# Altium PCB 23D_ESC_DRIVER.PcbDoc (continued)
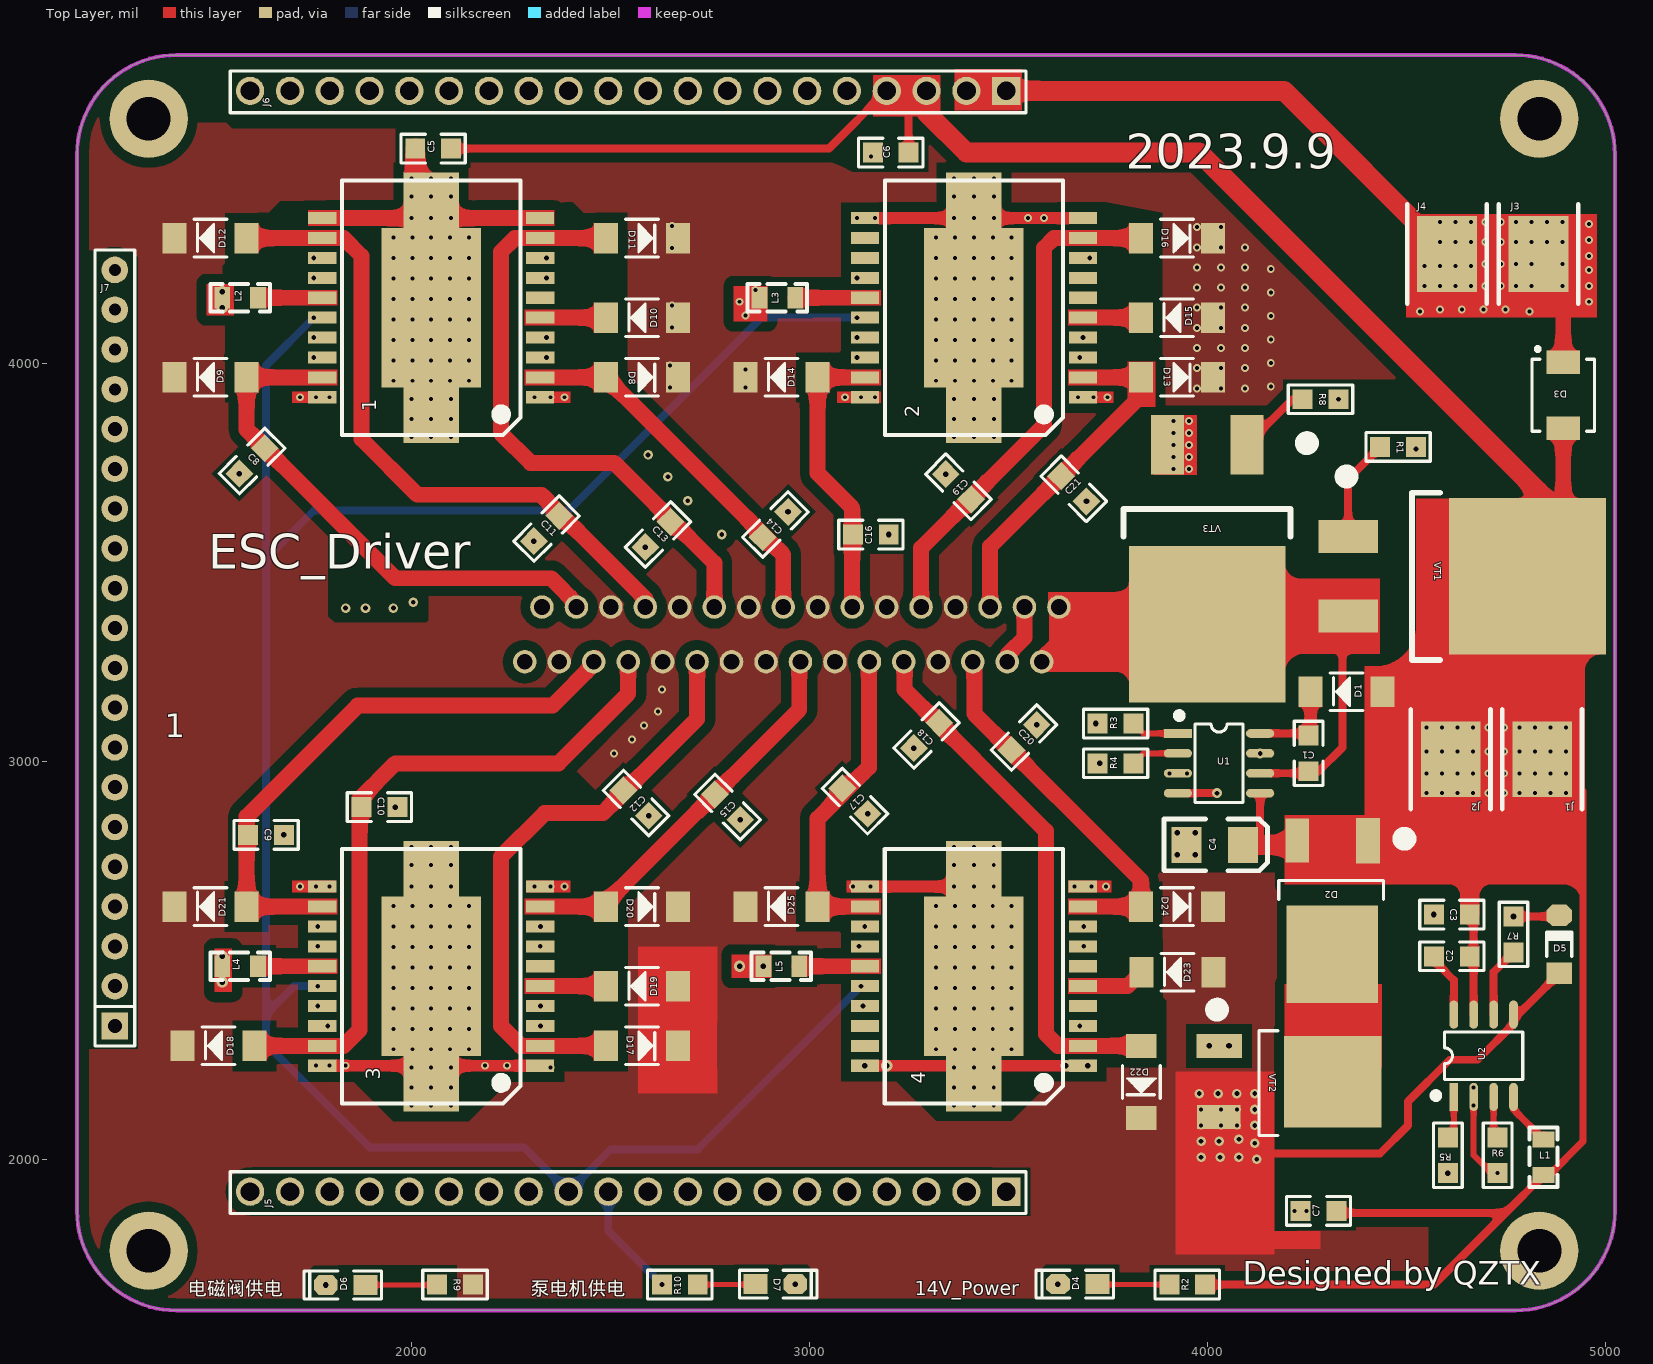
[diagram p0: Top Layer view]
## Nets (pads, with @x,y where several pads share a name; then routed paths per layer and width w, separated by ;. In a path a pad name is that pad's centre, name@x,y a point inside that pad or via, vN(x,y) a via of type N, cw(c..) or ccw(c..) an arc to the next point about the centre after c; other vN are vias at no path point)
GND1: 1.15 L2.2 | length 161.1
  Top Layer w40: L2.2 1.15
GND2: 2.15 L3.2 | length 176.1
  Top Layer w40: L3.2 2.15 2.15@3141.08,4165
GND3: 3.15 L4.2 | length 161.1
  Top Layer w40: L4.2 3.15
GND4: 4.15 L5.2 | length 164.9
  Top Layer w40: L5.2 4.15
L9349_ENABLE: 1.16 2.16 3.16 4.16 J5.12 | length 5653.6
  Signal Layer 2 w15: J5.12 J5.12@2395,1940
  Bottom Layer w20: v2(1755,4115) 1635,3995 1635,3510 ; v2(1765,2435) 1705,2435 1635,2365 ; v2(3120,4115) 2880,4115 2395,3630 1755,3630 1635,3510 ; v2(3130,2435) 2720,2025 2501.5,2025 J5.12 2283.5,2030 1895,2030 1635,2290 1635,2365 ; 1635,2365 1635,3510
LBI_OUT: 1.19 C8.1 CN1.4 D9.1 | length 1340.2
  Top Layer w40: 1.19 D9.1 1586.03,3833.97 1960,3460 2351.82,3460 2415.08,3396.74 CN1.4
LBI_PWM: 1.4 J5.10 | length 2376.4
  Signal Layer 2 w20: v2(2340,4065) 2265,3990 2265,3660 2190,3585 2190,3145 2595,2740 J5.10
LBI_STA: 1.18 J6.13 | length 981.5
  Signal Layer 2 w20: v2(1755,4015) 1860,4120 1860,4400 2030,4570 2180,4570 J6.13
LBO_OUT: 2.19 C16.1 CN1.20 D14.1 | length 733.3
  Top Layer w40: CN1.20 3107.99,3637.01 3021.03,3723.97 D14.1 2.19 2.19@3141.08,3965
LBO_PWM: 2.4 J5.4 | length 2799.3
  Signal Layer 2 w20: J5.4 3251.5,1975 3745,1975 3875,2105 3875,3885.51 3695.51,4065 v2(3687.84,4065)
LBO_STA: 2.18 J6.17 | length 1537.7
  Signal Layer 1 w20: J6.17 1895,4625 2015,4505 2630,4505 v2(3120,4015)
LFI_OUT: 3.19 C10.2 CN1.7 D18.1 | length 1725.3
  Top Layer w40: D18.1 3.19 1830,2285 1870,2325 1870,2905 1960,2995 2370,2995 2545,3170 CN1.7
LFI_PWM: 3.4 J5.16 | length 640.5
  Signal Layer 2 w20: J5.16 2370,2293.5 2370,2340 v2(2325,2385)
LFI_STA: 3.18 J6.9 | length 3050
  Signal Layer 1 w20: v2(1885,3385) 1885,3510 2030,3655 2585,3655 v2(2645,3715)
  Signal Layer 2 w20: v2(1790,2335) 1885,2430 v2(1885,3385) ; v2(2645,3715) 2695,3765 J6.9
LFO_OUT: 3.9 C15.2 CN1.17 D20.1 | length 983.1
  Top Layer w40: 3.9 D20.1 2488.97,2643.97 2975,3130 CN1.17@2975,3251.77
LFO_PWM: 3.14 J5.18 | length 778
  Signal Layer 2 w20: v2(1765,2535) 1585,2355 1585,2128.5 J5.18
LFO_STA: 3.8 J6.7 | length 2970.6
  Signal Layer 1 w15: J6.7@2895,4670 J6.7
  Signal Layer 1 w20: v2(2005,3400) 2080,3475 2685,3475 v2(2780,3570)
  Signal Layer 2 w20: v2(2005,3400) 2005,3190.75 2240,2955.75 2240,2705 2325,2620 v2(2325,2585) ; v2(2780,3570) 2895,3685 J6.7
LSTB1_OUT: 4.9 C20.2 CN1.27 D24.1 | length 933.6
  Top Layer w40: CN1.27@3415,3250 3415,3120 3833.97,2701.03 D24.1 4.9@3688.92,2635
LSTB1_PWM: 4.14 J5.9 | length 794.6
  Signal Layer 2 w20: J5.9 2695,2105 v2(3125,2535)
LSTB1_STA: 4.8 J6.20 | length 6135.4
  Signal Layer 1 w20: J6.20 1330,4420 1330,2005 1585,1750 3590,1750 3815,1975 3815,2460 v2(3690,2585)
LSTB2_OUT: 4.2 C18.2 CN1.23 D22.1 | length 1334.5
  Top Layer w40: CN1.23@3240,3250 3240,3180 3595,2825 3595,2315 3625.01,2284.99 4.2 3688.92,2284.99 D22.1
LSTB2_PWM: 4.17 J5.8 | length 607.3
  Signal Layer 2 w20: J5.8 2795,2045 v2(3135,2385)
LSTB2_STA: 4.3 J6.19 | length 5627.4
  Signal Layer 1 w20: J6.19 1415,4405 1415,2000 1595,1820 3540,1820 3745,2025 3745,2270 v2(3680,2335)
LTC_OUT: 3.2 C12.2 CN1.11 D17.1 | length 1489.8
  Top Layer w40: D17.1 2275,2285 2225,2335 2225,2760 2335,2870 2481.46,2870 2718.23,3106.77 CN1.11
LTC_PWM: 3.17 J5.17 | length 574.2
  Signal Layer 2 w20: v2(1765,2385) 1700,2320 1700,2113.5 J5.17
LTC_STA: 3.3 J6.8 | length 3186.9
  Signal Layer 1 w15: v2@2695,3650.45 v2(2695,3655) ; J6.8@2795,4680 J6.8
  Signal Layer 1 w20: v2(1955,3385) 1955,3475 2080,3600 2644.55,3600 v2@2695,3650.45
  Signal Layer 2 w20: v2(1955,3385) 1955,3145 2175,2925 2175,2700 2227.5,2647.5 2227.5,2432.5 v2(2325,2335) ; v2(2695,3655) 2795,3755 J6.8
MOTOR+: C1.1 CN1.31 CN1.32 U1.6 VT1.3 VT3.2 | length 1847.1
  Top Layer w10: 3765,3230 cw(c3770,3190) 3775,3230 ; VT3.2@3810,3180 ccw(c3767.5,3187.5) VT3.2@3810,3195 ; VT3.2@3820,3215 ccw(c3790,3200) 3775,3230 ; VT3.2@3825,3190 ccw(c3780,3185) 3775,3230 ; VT3.2@4180,3245 cw(c4225,3235) 4235,3280 ; VT3.2@4185,3480 ccw(c4225,3495) 4240,3455 cw(c4235,3500) VT3.2@4190,3495 ; VT3.2@4190,3225 cw(c4245,3220) 4250,3275 ; VT3.2@4190,3240 cw(c4225,3240) 4225,3275 ; 4315,3275 cw(c4317.5,3257.5) 4335,3260 ; 4345,3255 cw(c4365,3255) 4365,3275 ; 3775,3230 cw(c3767.5,3187.5) VT3.2@3810,3195 ; 3775,3230 cw(c3770,3190) VT3.2@3810,3195 ; 3775,3230 cw(c3775,3195) VT3.2@3810,3195
  Top Layer w20: U1.6 C1.1@4250,2970 ; C1.1 4280,2975 4340,3035 4340,3350.39 VT1.3
  Top Layer w30: C1.1@4250,2970 C1.1
  Top Layer w50: CN1.31 3627.68,3293.31 CN1.32 3639.88,3400 3944.61,3400 VT3.2
Net1_5: 1.5 D10.2 | length 165.1
  Top Layer w40: 1.5 D10.2
Net2_5: 2.5 D15.2 | length 145.1
  Top Layer w40: 2.5@3688.92,4115 D15.2
Net3_5: 3.5 D19.2 | length 165.1
  Top Layer w40: 3.5 D19.2
Net4_5: 4.5 D23.2 | length 160.5
  Top Layer w40: 4.5@3688.92,2435 3799.93,2435 D23.2
NetC1_2: C1.2 D1.2 U1.8 | length 232.9
  Top Layer w20: U1.8 C1.2@4250,3070
  Top Layer w30: C1.2 4250,3070 4249.93,3070.07 4259.93,3080.07 D1.2
NetC2_1: C2.1 U2.8 | length 167.4
  Top Layer w20: C2.1 4570,2500 4620,2450 U2.8
NetD2_2: D2.2 VT2.2
NetD4_1: D4.1 R2.1 | length 180.4
  Top Layer w12: D4.1@3726,1685 R2.1
  Top Layer w18: D4.1 D4.1@3726,1685
NetD5_2: D5.2 R7.2 VT2.1 | length 1025.7
  Top Layer w20: R7.2@4763.03,2616.97 v3(4770,2610) 4881.97,2610 D5.2
  Signal Layer 2 w20: v3(4005,2285) v3(4055,2285) 4445,2285 v3(4770,2610)
NetD6_1: D6.1 R9.2 | length 180.4
  Top Layer w12: D6.1 2064,1684 R9.2
NetD7_1: D7.1 R10.2 | length 145.4
  Top Layer w12: R10.2 2864,1685 D7.1
NetL1_1: L1.1 U2.4 | length 147.7
  Top Layer w18: U2.4@4770,2166.65 U2.4 4770,2125 L1.1
NetR1_1: R1.1 U1.7 | length 927.2
  Signal Layer 2 w20: v4(4133.35,3020) 4525,3411.65 v4(4525,3785)
NetR1_2: R1.2 VT1.1 | length 258.3
  Top Layer w20: VT1.1 4354.61,3709.61 R1.2
NetR3_2: R3.2 U1.1 | length 122
  Top Layer w15: R3.2 3840,3070 U1.1
NetR4_2: R4.2 U1.2 | length 122
  Top Layer w15: R4.2 3840,3020 U1.2
NetR5_2: R5.2 U2.1 | length 117.9
  Top Layer w15: R5.2 4620,2070 U2.1 U2.1@4620,2166.65
NetR6_2: R6.2 U2.3 | length 115.8
  Top Layer w15: U2.3@4720,2166.65 U2.3 4720,2065 R6.2
NetR7_1: R7.1 U2.6 | length 177.4
  Top Layer w20: U2.6 4720,2470 R7.1
NetR8_1: R8.1 U1.4 | length 1214.7
  Top Layer w20: U1.4 v4(4025,2920)
  Signal Layer 2 w20: v4(4025,2920) 4025,3355 4330,3660 v4(4330,3910)
NetR8_2: R8.2 VT3.1 | length 187.5
  Top Layer w20: VT3.1 4214.61,3910 R8.2
POWERGND: 1.1 1.10 1.11 1.20 1.21 2.1 2.10 2.11 2.20 2.21 3.1 3.10 3.11 3.20 3.21 4.1 4.10 4.11 4.20 4.21 C3.2 C4.2 C5.1 C6.1 C7.1 C8.2 C9.1 C10.1 C11.2 C12.1 C13.2 C14.2 C15.1 C16.2 C17.1 C18.1 C19.2 C20.1 C21.2 CN1.29 CN1.30 D3.2 D4.2 D6.2 D7.2 J3.1 J4.1 J6.1 J6.2 J7.1 J7.2 J7.3 J7.4 J7.5 J7.6 J7.7 J7.8 J7.9 J7.10 J7.11 J7.12 J7.13 J7.14 J7.15 J7.16 J7.17 J7.18 J7.19 J7.20 L2.1 L3.1 L4.1 L5.1 R6.1 U1.3 U2.2 VT3.3 | length 4994.5
  Top Layer w15: 3.21@2005,2735 3.21@2105,2735 ; U2.2@4670,2166.65 U2.2 v1(4670,2135) 4670,2010 4715,1965 v1(4730,1965)
  Top Layer w30: 3.20@1771.18,2235 3.20@1776.06,2234.23 ; 3.20 v1(1795,2235) v1(1835,2235) v1(2185,2235) v1(2240,2235) 3.1 3.1@2328.82,2235 ; 3.21@2000,2735 3.21@2005,2735 ; 3.10 3.10@2340,2685 ; v3(3140,2235) v3(3195,2235) 4.21@3415,2235 ; 4.11@3141.18,2685 v1(3153.82,2685) v1(3363.82,2685) 3410,2685 3415,2690 4.21@3415,2780 ; 2.11@3141.18,4365 v1(3165,4365) v1(3363.92,4365) v1(3413.92,4365) v1(3463.92,4365) v1(3550,4365) v1(3590,4365) 2.10 ; 4.21@3375,2240 4.21@3413.21,2278.21 ; 4.21@3450,2270 4.21@3415,2235 ; 4.21@3456.67,2281.64 3456.19,2281.1 3456.15,2281.05 3452.95,2277.48 3443.42,2266.8 3436.88,2259.48 3431.87,2253.88 3422.33,2243.2 3416.06,2236.19 4.21@3415,2235 ; v3(3700,2235) 4.1 v3(3645,2235) 4.21@3415,2235
  Top Layer w40: 1.11 v1(2000,4365) v1(2050,4365) ; 1.21@2050,4410 2095,4365 v1(2100,4365) 1.10 ; CN1.29 3497.76,3267.76 3541.06,3311.06 CN1.30 ; D3.2 4895,4160
  Top Layer w50: C5.1 2010,4450 1.21@2050,4410 ; J6.2 J6.1 4193,4685 J4.1 ; J3.1 J3.1@4860,4248
  other v1: 4220,1870 4250,1870 2000,2135 2050,2135 2100,2135 3363.82,2135 3413.82,2135 3463.82,2135 2000,2180 2050,2180 2100,2180 3363.82,2180 3413.82,2180 3463.82,2180 4670,2180 2000,2230 2050,2230 2100,2230 2350,2230 3363.82,2230 3413.82,2230 3463.82,2230 1760,2235 1955,2276.43 2002.5,2276.43 2050,2276.43 2097.5,2276.43 2145,2276.43 3318.82,2276.43 3366.32,2276.43 3413.82,2276.43 3461.32,2276.43 3508.82,2276.43 1955,2327.86 2002.5,2327.86 2050,2327.86 2097.5,2327.86 2145,2327.86 3318.82,2327.86 3366.32,2327.86 3413.82,2327.86 3461.32,2327.86 3508.82,2327.86 1955,2379.29 2002.5,2379.29 2050,2379.29 2097.5,2379.29 2145,2379.29 3318.82,2379.29 3366.32,2379.29 3413.82,2379.29 3461.32,2379.29 3508.82,2379.29 1955,2430.71 2002.5,2430.71 2050,2430.71 2097.5,2430.71 2145,2430.71 3318.82,2430.71 3366.32,2430.71 3413.82,2430.71 3461.32,2430.71 3508.82,2430.71 1955,2482.14 2002.5,2482.14 2050,2482.14 2097.5,2482.14 2145,2482.14 3318.82,2482.14 3366.32,2482.14 3413.82,2482.14 3461.32,2482.14 3508.82,2482.14 1955,2533.57 2002.5,2533.57 2050,2533.57 2097.5,2533.57 2145,2533.57 3318.82,2533.57 3366.32,2533.57 3413.82,2533.57 3461.32,2533.57 3508.82,2533.57 1955,2585 2002.5,2585 2050,2585 2097.5,2585 2145,2585 3318.82,2585 3366.32,2585 3413.82,2585 3461.32,2585 3508.82,2585 1955,2636.43 2002.5,2636.43 2050,2636.43 2097.5,2636.43 2145,2636.43 3318.82,2636.43 3366.32,2636.43 3413.82,2636.43 3461.32,2636.43 3508.82,2636.43 1720,2685 1760,2685 1795,2685 2000,2685 2050,2685 2100,2685 2310,2685 2350,2685 2385,2685 3110,2685 3413.82,2685 3463.82,2685 3666.18,2685 3710,2685 3746.18,2685 2000,2740 2050,2740 2100,2740 3363.82,2740 3413.82,2740 3463.82,2740 2000,2785 2050,2785 2100,2785 3363.82,2785 3413.82,2785 3463.82,2785 3905,2970 3950,2970 3915,3735 3955,3735 3915,3765 3955,3765 3915,3795 3955,3795 2000,3815 2050,3815 2100,3815 3363.92,3815 3413.92,3815 3463.92,3815 3915,3825 3955,3825 3915,3855 3955,3855 2000,3860 2050,3860 2100,3860 3363.92,3860 3413.92,3860 3463.92,3860 2000,3910 2050,3910 2100,3910 3363.92,3910 3413.92,3910 3463.92,3910 1720,3915 1760,3915 1795,3915 2310,3915 2350,3915 2385,3915 3090,3915 3130,3915 3165,3915 3675,3915 3715,3915 3750,3915 1955,3956.43 2002.5,3956.43 2050,3956.43 2097.5,3956.43 2145,3956.43 3318.92,3956.43 3366.42,3956.43 3413.92,3956.43 3461.42,3956.43 3508.92,3956.43 1955,4007.86 2002.5,4007.86 2050,4007.86 2097.5,4007.86 2145,4007.86 3318.92,4007.86 3366.42,4007.86 3413.92,4007.86 3461.42,4007.86 3508.92,4007.86 1955,4059.29 2002.5,4059.29 2050,4059.29 2097.5,4059.29 2145,4059.29 3318.92,4059.29 3366.42,4059.29 3413.92,4059.29 3461.42,4059.29 3508.92,4059.29 1955,4110.71 2002.5,4110.71 2050,4110.71 2097.5,4110.71 2145,4110.71 3318.92,4110.71 3366.42,4110.71 3413.92,4110.71 3461.42,4110.71 3508.92,4110.71 2840,4120 4535,4130 4810,4130 4585,4135 4640,4135 4695,4135 4750,4135 2825,4155 4960,4155 1955,4162.14 2002.5,4162.14 2050,4162.14 2097.5,4162.14 2145,4162.14 3318.92,4162.14 3366.42,4162.14 3413.92,4162.14 3461.42,4162.14 3508.92,4162.14 2865,4185 4546,4195 4585,4195 4624,4195 4663,4195 4699,4195 4738,4195 4776,4195 4815,4195 4893,4195 4960,4195 1955,4213.57 2002.5,4213.57 2050,4213.57 2097.5,4213.57 2145,4213.57 3318.92,4213.57 3366.42,4213.57 3413.92,4213.57 3461.42,4213.57 3508.92,4213.57 4960,4235 4546,4245 4585,4245 4624,4245 4663,4245 4699,4250 4738,4250 4776,4250 4815,4250 4893,4250 1955,4265 2002.5,4265 2050,4265 2097.5,4265 2145,4265 3318.92,4265 3366.42,4265 3413.92,4265 3461.42,4265 3508.92,4265 4960,4270 4585,4305 4624,4305 4663,4305 4699,4305 4738,4305 4776,4305 4815,4305 4854,4305 4893,4305 4960,4310 1955,4316.43 2002.5,4316.43 2050,4316.43 2097.5,4316.43 2145,4316.43 3318.92,4316.43 3366.42,4316.43 3413.92,4316.43 3461.42,4316.43 3508.92,4316.43 4960,4350 4585,4355 4624,4355 4663,4355 4699,4355 4738,4355 4776,4355 4815,4355 4854,4355 4893,4355 3120,4365 2000,4420 2050,4420 2100,4420 3363.92,4420 3413.92,4420 3463.92,4420 2000,4465 2050,4465 2100,4465 3363.92,4465 3413.92,4465 3463.92,4465 3155,4520
  other v3: 1785,1684 2965,1686 3625,1686 1525,2445 2825,2485 2885,2485 1525,2510 4570,2615 3925,2765 3970,2765 1680,2815 3925,2820 3970,2820 2826.82,2853.18 2596.82,2863.18 3146.82,2868.18 1960,2885 3263.18,3033.18 3571.82,3091.82 2588.18,3538.18 2308.18,3553.18 3200,3570 2946.82,3626.82 3696.82,3653.18 3343.18,3721.82 1568.18,3723.18 1525,4140 1525,4180
PUMP_ENABLE: J5.11 R4.1 R10.1 | length 2096.3
  Signal Layer 1 w20: J5.11 2695,2118.5 2763.5,2118.5 3235,2590 3235,2805 3425,2995 v3(3730,2995)
  Bottom Layer w20: J5.11 2495,1820 v2(2630,1685)
PUMP_PWM: J5.3 R3.1 | length 1447.4
  Signal Layer 1 w20: J5.3 3295,1940 3296.47,1941.46 3306.47,1941.46 3370,2005 3430,2005 3595,2170 3595,2710 3785,2900 3785,3030 v3(3720,3095)
RBI_OUT: 3.12 C9.2 CN1.5 D21.1 | length 1465.6
  Top Layer w40: 3.12 D21.1 1586.03,2861.03 1865,3140 2355,3140 2463.55,3248.55 CN1.5@2463.55,3260
RBI_PWM: 3.7 J5.15 | length 811.6
  Signal Layer 2 w20: J5.15 2445,2268.5 2445,2413.92 v2(2323.92,2535)
RBI_STA: 3.13 J6.10 | length 2783.6
  Signal Layer 1 w20: v2(1835,3385) 1835,3590 1955,3710 2535,3710 v2(2595,3770)
  Signal Layer 2 w20: v2(1765,2585) 1835,2655 v2(1835,3385) ; v2(2595,3770) J6.10
RBO_OUT: 4.12 C17.2 CN1.21 D25.1 | length 790.8
  Top Layer w40: 4.12 D25.1 3021.03,2856.03 3150,2985 CN1.21@3150,3253.54
RBO_PWM: 4.7 J5.7 | length 1345.6
  Signal Layer 2 w20: J5.7 3056.5,2080 3640,2080 3760,2200 3760,2465 v2(3690,2535)
RBO_STA: 4.13 J6.18 | length 4545
  Signal Layer 1 w20: J6.18 1795,4630 1483.5,4318.5 1483.5,2201.5 1625,2060 2575,2060 3100,2585 v2(3139.9,2585)
RFI_OUT: 1.12 C11.1 CN1.8 D12.1 | length 1668
  Top Layer w40: D12.1 1830,4315 1875,4270 1875,3810 2015,3670 2326.86,3670 2588.31,3408.55 CN1.8
RFI_PWM: 1.7 J5.14 | length 2671.4
  Signal Layer 2 w20: J5.14 2505,2228.5 2505,2755 2125,3135 2125,3625 2215,3715 2215,4090 v2(2340,4215)
RFI_STA: 1.13 J6.14 | length 724.8
  Signal Layer 1 w15: J6.14@2195,4665 J6.14
  Signal Layer 2 w20: v2(1755,4265) 1755,4420 1940,4605 2115,4605 J6.14
RFO_OUT: 1.2 C14.1 CN1.16 D8.1 | length 926.9
  Top Layer w40: 1.2 D8.1 2934.76,3519.21 CN1.16
RFO_PWM: 1.17 J5.19 | length 2353.6
  Signal Layer 2 w20: J5.19 1475,2138.5 1475,3785 v2(1755,4065)
RFO_STA: 1.3 J6.11 | length 734.2
  Signal Layer 2 w20: v2(2340,4015) 2495,4170 J6.11
RSTB1_OUT: 2.9 C19.1 CN1.24 D16.1 | length 1284.4
  Top Layer w40: CN1.24 3281.22,3536.22 3590,3845 3590,4290 3615,4315 2.9 D16.1
RSTB1_PWM: 2.14 J5.5 | length 3343.5
  Signal Layer 2 w20: J5.5 3181.5,2005 3705,2005 3835,2135 3835,3375 3660,3550 3425,3550 3220,3755 3220,4115 v2(3120,4215)
RSTB1_STA: 2.8 J6.16 | length 1927.9
  Signal Layer 1 w20: J6.16 1995,4655 2095,4555 3460,4555 3705,4310 v2(3705,4265)
RSTB2_OUT: 2.2 C21.1 CN1.28 D13.1 | length 879.5
  Top Layer w40: CN1.28 3454.45,3539.45 3833.97,3918.97 D13.1 2.2@3688.92,3964.99
RSTB2_PWM: 2.17 J5.6 | length 3298.6
  Signal Layer 2 w20: J5.6 3121.5,2045 3680,2045 3800,2165 3800,3330 3645,3485 3400,3485 3040,3845 3040,3985 v2(3120,4065)
RSTB2_STA: 2.3 J6.15 | length 2196.1
  Signal Layer 1 w20: J6.15 2180,4600 3500,4600 3782,4318 3782,4096.75 3700.25,4015 v2(3680,4015)
RTC_OUT: 1.9 C13.1 CN1.12 D11.1 | length 1515.9
  Top Layer w40: D11.1 1.9 2260,4315 2225,4280 2225,3825 2300,3750 2510,3750 2761.54,3498.46 CN1.12
RTC_PWM: 1.14 J5.20 | length 2553.3
  Signal Layer 2 w20: J5.20 1365,2148.5 1365,3825 v2(1755,4215)
RTC_STA: 1.8 J6.12 | length 442.8
  Signal Layer 2 w20: v2(2340,4265) 2395,4320 J6.12
VALVES+: CN1.3 CN1.6 CN1.9 CN1.10 CN1.13 CN1.14 CN1.15 CN1.18 CN1.19 CN1.22 CN1.25 CN1.26 D5.1 D8.2 D9.2 D10.1 D11.2 D12.2 D13.2 D14.2 D15.1 D16.2 D17.2 D18.2 D19.1 D20.2 D21.2 D22.2 D23.1 D24.2 D25.2 R9.1 U2.5 VT2.3 | length 1005
  Top Layer w20: 4120.78,2015 4435,2015 4505,2085 4505,2145 4610,2250 4680,2250 4770,2340 U2.5@4770,2351.97 ; U2.5 U2.5@4770,2351.97 ; D5.1 U2.5@4770,2351.97
  other v1: 3985,2085 4035,2085 4075,2085 3985,2125 4035,2125 4075,2125 2510,3020 2555,3055 2585,3090 2620,3125 2630,3180 3975,3937.5 4035,3937.5 4095,3937.5 2650,3940 2840,3940 4160,3941.88 2840,3985 3975,3988.12 4035,3988.12 4095,3988.12 2650,3995 4160,4000.94 3975,4038.75 4035,4038.75 4095,4038.75 4160,4060 3975,4089.38 4035,4089.38 4095,4089.38 2655,4090 4160,4119.06 3975,4140 4035,4140 4095,4140 2655,4145 4160,4178.12 3975,4190.62 4035,4190.62 4095,4190.62 4160,4237.19 3975,4241.25 4035,4241.25 4095,4241.25 2655,4290 3975,4291.88 4035,4291.88 4095,4291.88 3975,4342.5 4035,4342.5 2655,4345
  other v2: 4125,2000 3985,2005 4032.5,2005 4080,2005 4120,2040 3985,2045 4030,2045 4080,2050 4120,2085 4120,2125 3980,2165 4027.5,2165 4075,2165 4120,2165
VALVES_ENABLE: J5.13 R5.1 | length 2402.6
  Signal Layer 2 w20: J5.13 2383.5,1830 4470,1830 v3(4605,1965)
VCC_14V: C2.2 C3.1 C4.1 C5.2 C6.2 C7.2 D1.1 D2.1 D3.1 J1.1 J2.1 J6.3 J6.4 L1.2 R2.2 U1.5 U2.7 VT1.2 | length 8443.5
  Top Layer w10: 4425,3230 ccw(c4425,3340) 4529.05,3304.32 ; 4435,3235 ccw(c4422.5,3342.5) 4530.28,3332.71 ; 4450,3230 ccw(c4437.5,3322.5) 4470,3235 ; 4480,3235 ccw(c4482.5,3292.5) 4540,3290 ; 4495,3230 ccw(c4495,3280) 4545,3280 ; 4530,3335 cw(c4437.5,3322.5) 4530.28,3332.71 ; 4530,3355 cw(c4422.5,3342.5) 4530.28,3332.71 ; 4535,3305 cw(c4467.5,3302.5) 4470,3235 ; 4535,3340 cw(c4425,3340) 4529.05,3304.32 ; 4600,2695 cw(c4607.5,2662.5) 4640,2670 ; 4675,2680 ccw(c4675,2695) 4690,2695 ; 4680,2665 cw(c4712.5,2662.5) 4715,2695 ; 4900,2695 cw(c4895,2645) 4935.08,2675.31 ; 4935,2675 ccw(c4915,2680) 4935.08,2675.31 ; 4940,3240 cw(c4977.5,3237.5) VT1.2@4980,3275 ; 4945,2640 ccw(c4895,2645) 4945,2650 ccw(c4895,2645) 4935.08,2675.31 ; 4945,2660 ccw(c4912.5,2667.5) 4945,2675 ccw(c4912.5,2667.5) 4920,2700 cw(c4915,2680) 4935.08,2675.31 ; 4945,3225 cw(c4992.5,3227.5) VT1.2@4990,3275 ; 4470,3235 ccw(c4437.5,3322.5) 4529.05,3304.32 ; 4529.05,3304.32 ccw(c4437.5,3322.5) 4530.28,3332.71
  Top Layer w15: C3.1 C3.1@4670,2605
  Top Layer w18: L1.2 4860,1960 4945,2045 4945,2650 4945,2675 4945,2925 J1.1@4900,2970
  Top Layer w20: C5.2 3050,4540 J6.4 ; C6.2 3250,4650 ; R2.2 4570,1685 4750,1865 ; U1.5 4133.35,2796.65 4140,2789.99 ; C7.2@4325,1865 4750,1865 ; C7.2 C7.2@4335,1870 ; U2.7 C3.1@4670,2605 ; VT1.2 4895,3554.61 VT1.2@4895,3615 ; L1.2 4750,1865 ; 4930,3240 cw(c4977.5,3232.5) VT1.2@4985,3280
  Top Layer w40: VT1.2@4895,3615 D3.1
  Top Layer w50: J6.4 J6.3 3295,4630 3395,4530 3980,4530 4895,3615 VT1.2@4952.5,3557.5 ; C4.1 4140,2789.99 4329.99,2789.99 4329.99,2800.01 ; C3.1 4660,2725 4665,2730 ; 4707,3203 4710,3200
  other v1: 4551,2920 4590,2920 4629,2920 4668,2920 4707,2920 4746,2920 4785,2920 4824,2920 4863,2920 4902,2920 4551,2970 4590,2970 4629,2970 4668,2970 4707,2970 4746,2970 4785,2970 4824,2970 4863,2970 4902,2970 4551,3025 4590,3025 4629,3025 4668,3025 4707,3025 4746,3025 4785,3025 4824,3025 4863,3025 4902,3025 4551,3085 4590,3085 4629,3085 4668,3085 4707,3085 4746,3085 4785,3085 4824,3085 4863,3085 4902,3085
pads on no net: 1.6 2.6 2.7 2.12 2.13 3.6 4.4 4.6 4.18 4.19 CN1.1 CN1.2 J5.1 J5.2 J6.5 J6.6

## Polygon pours and split planes (outlines as drawn)
POWERGND on Bottom Layer "Top Layer-No Net2" (solid, remove dead copper, pour order 5): 1160,1870 1160,4524.97 1159.97,4524.97 cw(c1410,4524.97) 1410,4775 4774.97,4775 4774.97,4775.03 cw(c4774.97,4525) 5025,4525 5025,1870 5025.03,1870.03 cw(c4775,1870.03) 4775,1620 1410.03,1620 1410.03,1619.97 cw(c1410.03,1870)
VALVES+ on Top Layer "Top Layer-No Net" (solid, remove dead copper, pour order 12): 1160,1870 1160,4524.97 1159.97,4524.97 cw(c1410,4524.97) 1410,4775 4774.97,4775 4774.97,4775.03 cw(c4774.97,4525) 5025,4525 5025,1870 5025.03,1870.03 cw(c4775,1870.03) 4775,1620 1410.03,1620 1410.03,1619.97 cw(c1410.03,1870)
VALVES+ on Signal Layer 1 "Top Layer-No Net1" (solid, remove dead copper, pour order 13): 1160,1870 1160,4524.97 1159.97,4524.97 cw(c1410,4524.97) 1410,4775 4774.97,4775 4774.97,4775.03 cw(c4774.97,4525) 5025,4525 5025,1870 5025.03,1870.03 cw(c4775,1870.03) 4775,1620 1410.03,1620 1410.03,1619.97 cw(c1410.03,1870)

## Keep-outs
Keep-Out Layer:
  the board outline again, w10

## Other copper
Top Layer:
  rectangle net VALVES+: 4170,1819.77 4200.49,1820
  rectangle net Net4_5: 3650,2415 3690,2455
  rectangle net RBI_OUT: 1760,2615 1815,2655
  rectangle net GND3: 1755,2465 1815,2505
  rectangle net LFO_OUT: 2285,2615 2335,2655
  rectangle net Net3_5: 2285,2415 2330,2455
  rectangle net VALVES+: 3965,1905 4170,2180
  rectangle net VALVES+: 2625,2235 2745,2335
  rectangle net VALVES+: 2605,2360 2735,2505
  rectangle net POWERGND: 1505,2420 1550,2530
  rectangle net POWERGND: 1485,4120 1555,4200
  rectangle net POWERGND: 3365,4635 3535,4740
  rectangle net VCC_14V: 3160,4620 3330,4725
  rectangle net POWERGND: 3650,2670 3760,2700
  rectangle net POWERGND: 1740,4350 2045,4380
  rectangle net POWERGND: 2060,4350 2310,4380
  rectangle net LBI_OUT: 1755,3945 1815,3985
  rectangle net POWERGND: 1740,4345 1785,4385
  rectangle net POWERGND: 2315,4345 2360,4385
  rectangle net RSTB2_OUT: 3650,3945 3690,3985
  rectangle net Net2_5: 3650,4095 3690,4135
  rectangle net RSTB1_OUT: 3650,4295 3695,4335
  rectangle net GND2: 3130,4145 3180,4185
  rectangle net LBO_OUT: 3135,3945 3180,3985
  rectangle net VCC_14V: 4505,2690 4950,3240
  rectangle net VCC_14V: 4195,2690 4945,2865
  rectangle net NetD2_2: 4195,2230 4440,2440
  rectangle net POWERGND: 1700,3900 1810,3930
  rectangle net POWERGND: 2290,3900 2400,3930
  rectangle net POWERGND: 3070,3900 3180,3930
  rectangle net POWERGND: 3655,3900 3765,3930
  rectangle net POWERGND: 3093.82,2670 3203.82,2700
  rectangle net POWERGND: 1700,2670 1810,2700
  rectangle net POWERGND: 2290,2670 2400,2700
  rectangle net RFO_OUT: 2285,3945 2335,3985
  rectangle net Net1_5: 2285,4095 2335,4135
  rectangle net GND1: 1765,4145 1815,4185
  rectangle net POWERGND: 2810,4105 2895,4195
  rectangle net POWERGND: 3865,3720 3975,3870
  rectangle net POWERGND: 4500,4115 4980,4375
  rectangle net POWERGND: 2805,2455 2905,2515
  rectangle net LSTB1_OUT: 3650,2615 3700,2655
  rectangle net GND4: 3120,2465 3180,2505
  rectangle net RBO_OUT: 3130,2615 3180,2655
  rectangle net VCC_14V: 4395,2840 4570,3240
  rectangle net VCC_14V: 4525,3240 4950,3660
  rectangle net RSTB2_OUT: 3800,3890 3870,4005
  rectangle net MOTOR+: 4020,3270 4435,3460
  rectangle net MOTOR+: 3600,3375 3675,3425
  rectangle net MOTOR+: 3595,3225 3820,3285
  rectangle net MOTOR+: 3627.68,3260 3840,3387.8
  rectangle net VALVES+: 2570,2165 2770,2535
  rectangle net VALVES+: 3920,1760 4170,2220
  rectangle net VALVES+: 4095,1775 4285,1820
  pour cut-out: 3630,2960 3635,2955 3885,2955 3885,2920 3910,2895 3915,2900 4105,2900 4105,2870 4120,2855 4035,2770 4035,2720 3860,2720 3860,2735 3640,2955
  pour cut-out: 3889.93,2406.61 3898.39,2398.16 3898.39,2340 3748.54,2340 3748.17,2340.37 3748.17,2401.83 3745,2405 3746.61,2406.61
  pour cut-out: 3450,3215 3770,3215 3790,3195 3790,3155 3785,3135 3755,3140 3715,3140 3680,3120 3685,3115 3685,2965 3695,2955 3660,2920 3445,3135
  pour cut-out: 3855,3135 4210,3135 4210,3097.5 4192.5,3080 4090,3080 4090,2893.7 4098.04,2885.65 4096.48,2884.08 3954.58,2884.08 3954.58,3079.58 3965,3090 3950,3105 3855,3105
  pour cut-out: 3865.91,2920 3865.91,2946.8 3876.07,2956.96 3876.07,2928.93 3880,2925
  pour cut-out: 3865,2945 3876.07,2945 3876.07,2968.93 3870,2975 3865,2970 3860,2970
  pour cut-out: 4152.49,2719.99 4169.51,2719.99 4169.51,2749.51 4170,2750 4135,2750
  pour cut-out: 4810,2570 4805,2565 4805,2495 4780,2495 4745,2460 4745,2390 4795,2390 4846.28,2441.28 4846.28,2487.55 4917.55,2487.55 4930,2500 4925,2505 4925,2555 4865,2555 4835,2585
  pour cut-out: 3748.17,4405.2 3888.97,4378.39 3748.54,4378.39 3748.17,4378.76
  pour cut-out: 3110,4480 3080,4495 3055,4505 3115,4565 3120,4560 3120,4550
  pour cut-out: 1641.03,4378.39 1671.19,4408.55 1730.25,4408.55 1730.25,4370.25 1705,4345 1705,4340 1623.83,4340 1618.51,4345.32
  pour cut-out: 1531.03,4028.39 1531.03,4108.97 1530,4110 1545,4125 1725,4125 1730,4120 1730,4022.5 1542.5,4022.5 1525,4005
  pour cut-out: 2037.68,3347.68 2044.01,3354.01 2044.01,3414.61 1965.39,3414.61 1795,3585 1790,3585 1790,3365 1807.32,3347.68
  pour cut-out: 2543.97,2571.61 2543.97,2498.39 2468.39,2498.39 2440,2470 2380,2470 2380,2600 2390,2590 2445,2590
  pour cut-out: 2543.97,2341.98 2543.97,2371.61 2450.77,2371.61 2422.38,2400 2390,2400 2375,2385 2375,2325 2395,2325 2400,2320
  pour cut-out: 2433.97,2221.61 2433.6,2221.24 2384.25,2221.24 2384.25,2235.75 2380,2240 2390,2250 2430,2250 2445,2235
  pour cut-out: 1955,2095 1840,2210 1968.62,2210 1974.05,2215.43
  pour cut-out: 2145,2095 2250,2200 2250,2205 2135,2205 2130,2200
  pour cut-out: 2195,2695 2200,2700 2200,2785 2205,2785 2335,2915 2470,2915 2470,2919.29 2409.29,2980 2400,2980 2400,2975 2380,2955 2375,2960 1975,2960 1905,2890 1905,2685 1955,2685 1955,2800 1970,2815 2130,2815 2130,2695 2140,2685 2195,2685
  pour cut-out: 3318.82,2095 3215,2198.82 3215,2205 3330,2205
  pour cut-out: 3508.82,2095 3600,2186.18 3600,2200 3510,2200 3500,2210
  pour cut-out: 3888.97,2571.61 3888.97,2534.34 3889.93,2533.39 3876.54,2520 3795,2520 3795,2475 3790,2470 3730,2470 3730,2595 3740,2605 3750,2595 3800,2595 3823.39,2571.61 3888.97,2571.61 3888.97,2534.34 3889.93,2533.39
  pour cut-out: 3771.61,2340 3771.24,2340.37 3748.17,2340.37 3748.17,2333.17 3740,2325 3780,2325
  pour cut-out: 3771.61,2230 3748.07,2230 3748.07,2239.61 3769.61,2239.61 3780,2250
  pour cut-out: 4185,1820 4100,1850 4015,1880 4025,1890 4195,1890
  pour cut-out: 4555.38,1720.3 4555.38,1839.62 4555,1840 4685,1840
  pour cut-out: 4460,3265 4465,3265 4510,3310 4510,3670 4770,3670 4775,3675 4490,3960 4205,3960 4195,3950 4195,3920 4165,3890 4159.8,3895.2 3965.2,3895.2 3955,3885 3845,3885 3845,3880 3500,3535 3480,3535 3480,3430 3490,3420 3495,3425 3765,3425 3800,3460 3790,3470 3790,3555 4050,3555 4055,3550 4210,3550 4210,3485 4215,3485 4230,3470 4440,3470 4450,3460 4450,3270 4460,3260
  pour cut-out: 3510,2229.55 3525,2244.55 3525,2250 3500,2250
  pour cut-out: 3310,2245 3310,2240 3320,2230 3330,2240 3330,2250
  pour cut-out: 3670,1736 3641,1736 3640,1735 3670,1705 3685,1705
  pour cut-out: 2770,1735 2934,1735 2925,1726 2925,1715 2765,1715 2755,1705
  pour cut-out: 1815,1734 1816,1735 2015,1735 2015,1720 2020,1715 1805,1715
  pour cut-out: 1595,1857.78 3447.78,1857.78 3455,1865 3455,1895 1595,1895 1585,1885
  pour cut-out: 1595,1979.23 1599.23,1975 3470,1975
  pour cut-out: 3460,1980 1600,1980 1597.11,1977.11 1615,1959.23 1615,1935
  pour cut-out: 3460,1980 1600,1980 1597.11,1977.11
  pour cut-out: 3467.89,1977.11 1597.11,1977.11 1597.11,1952.89 1625,1925 3480,1925 3480,1965
  pour cut-out: 4195,3115 4195,3095 4220,3095 4220,3130
  pour cut-out: 3778.97,4378.39 3736.61,4378.39 3745,4370 3745,4345 3780,4345 3785,4350
  pour cut-out: 3888.97,4251.61 3888.97,4178.39 3808.39,4178.39 3780,4150 3735,4150 3735,4280 3740,4285 3750,4275 3790,4275
  pour cut-out: 3888.97,4051.61 3888.97,4028.39 3875.58,4015 3765,4015 3745,3995 3735,4005 3735,4075 3740,4080 3750,4070 3800,4070
  pour cut-out: 3745,3880 3745,3820 3800,3875 3800,3895
  pour cut-out: 3000,4115 3090,4115 3090,4130 3085,4135 3015,4135
  pour cut-out: 3010,4217.5 3092.5,4217.5 3095,4215 3090,4210 3005,4210 2995,4200
  pour cut-out: 2433.97,4378.39 2407.16,4405.2 2384.25,4405.2 2384.25,4369.25 2360,4345 2365,4340 2450,4340
  pour cut-out: 2433.97,4251.61 2368.39,4251.61 2360,4260 2375,4275 2375,4280 2450,4280
  pour cut-out: 2543.97,4251.61 2543.97,4178.39 2458.39,4178.39 2430,4150 2420,4160 2360,4160 2360,4260 2385,4285 2425,4285
  pour cut-out: 2543.97,4051.61 2543.97,4028.39 2530.58,4015 2395,4015 2380,4000 2365,4015 2365,4065 2375,4065 2390,4080 2410,4060 2470,4060
  pour cut-out: 2390,4080 2440,4080 2455,4065 2420,4030 2405,4030
  pour cut-out: 2387.5,4007.5 2442.5,4007.5 2445,4005 2450,4010 2450,4030 2405,4030 2400,4035
  pour cut-out: 1630,4030 1730,4030 1730,4015 1715,4000 1620,4000
  pour cut-out: 1660,4112.5 1722.5,4112.5 1725,4110 1730,4115 1730,4125 1645,4125 1640,4130
  pour cut-out: 1531.03,4251.61 1525,4245.58 1525,4220 1535,4220 1560,4195 1725,4195 1735,4205 1725,4215 1725,4285 1635,4285 1610,4260 1550,4260
  pour cut-out: 1960,4590 1550,4590 1535,4605 1450,4605 1450,4645 1340,4755 1360,4775 3035,4775 3095,4715 3080,4700 3080,4605 3040,4565 3020,4565 2400.01,4565 2014.66,4576.33
  pour cut-out: 1196.54,2276.54 1168.46,2276.54 1160,2285 1165,2290 1165,4270 1176.41,4270 1191.41,4285 1295,4285 1313.46,4266.54 1313.46,2276.54 1196.54,2276.54 1188.07,2285 1180,2285

## Silkscreen, mask and mechanical layers (free items; w line width, h text height)
Top Overlay:
  text "2023.9.9" at 3795,4460 h150
  text "ESC_Driver" at 1490,3455 h150
  text "1" at 1380,3040 h100
  text "Designed by QZTX" at 4090,1665 h100
  text "电磁阀供电" at 1440,1645 h60
  text "泵电机供电" at 2300,1645 h60
  text "14V_Power" at 3265,1645 h60
Top Solder:
  rectangle: 4185,3270 4435,3460
  rectangle: 3585,3225 3875,3280
  rectangle: 3635,3260 3835,3350
  lines w40: 3623.84,3391.64 3655.48,3360 3955,3360 3965,3350
  lines w50: 3584.37,3250 3627.68,3293.31 3627.68,3387.8 ; 3623.84,3391.64 3630,3397.8 3967.8,3397.8

## Dimensions
1160,4775 to 1160,1620 on Keep-Out Layer